# Altium PCB H-00488.PcbDoc (part 9 of 9) (continued)
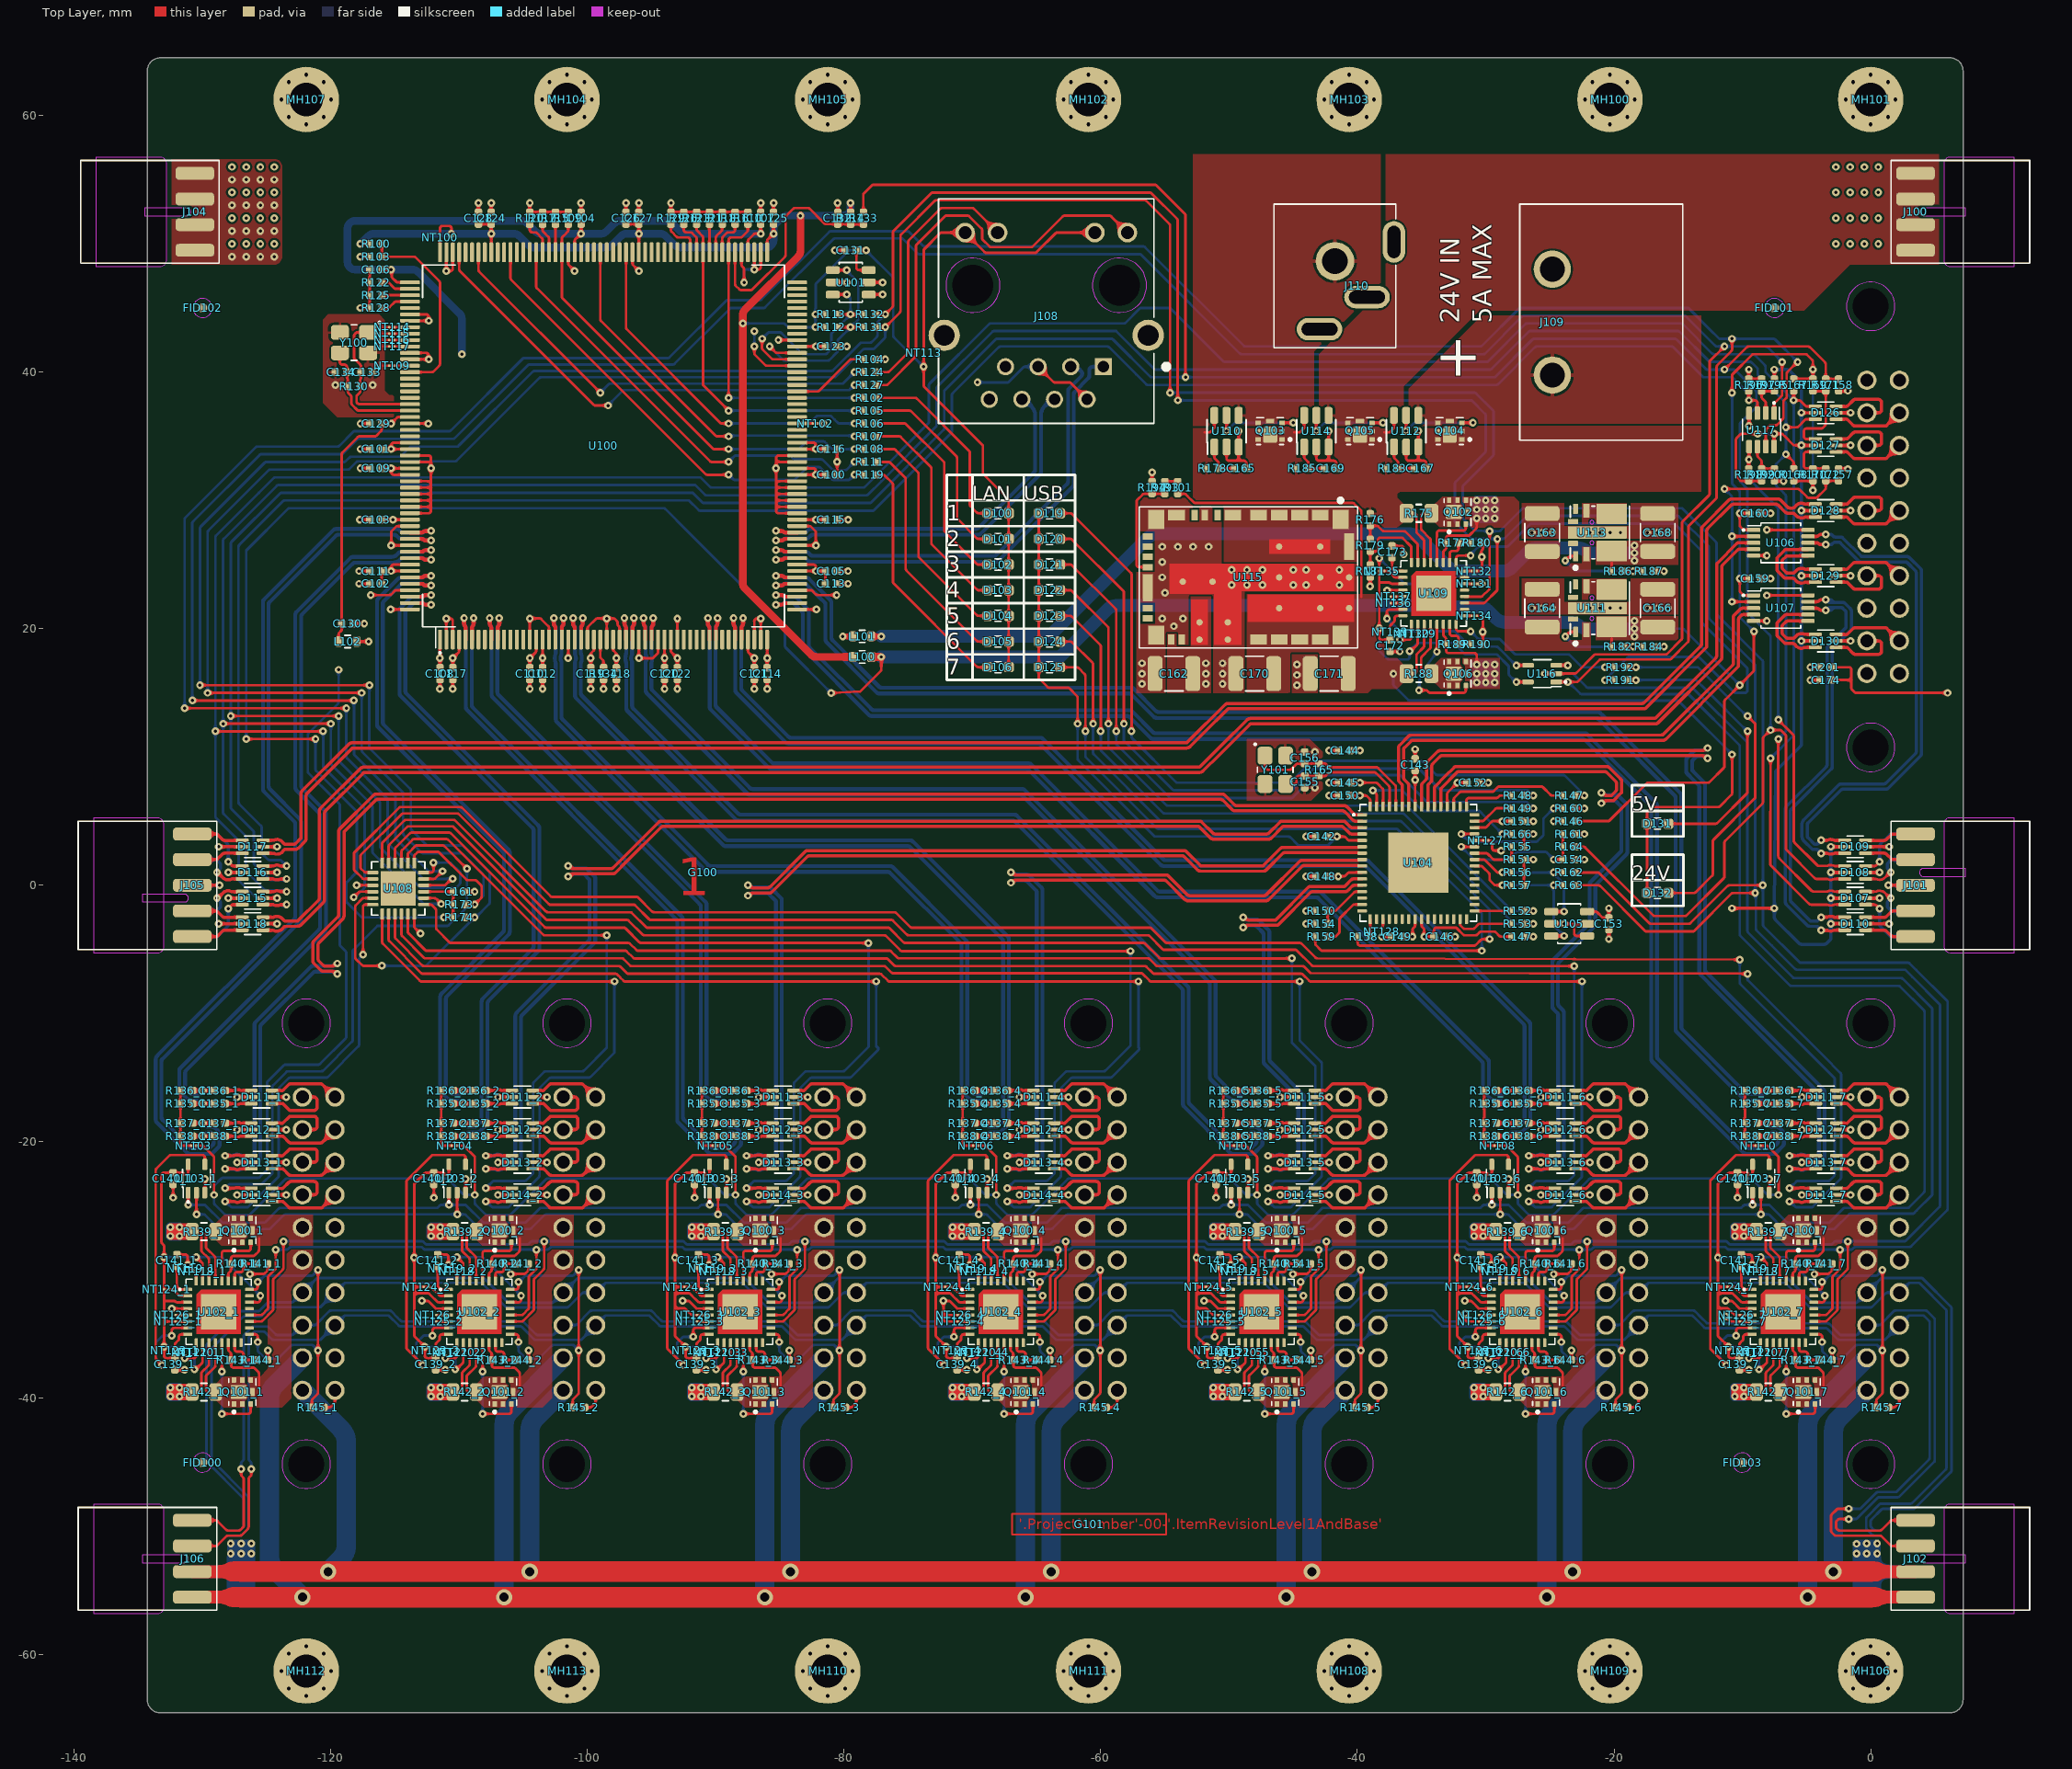
[diagram p0: Top Layer view]
## Nets (pads, with @x,y where several pads share a name; then routed paths per layer and width w, separated by ;. In a path a pad name is that pad's centre, name@x,y a point inside that pad or via, vN(x,y) a via of type N, cw(c..) or ccw(c..) an arc to the next point about the centre after c; other vN are vias at no path point) (continued)
  Bottom Layer w0.2: v1(-37.2,16.5) -37.2,15.683 ccw(c-37,15.683) -37.142,15.542 -36.058,14.458 ccw(c-35.917,14.6) -35.919,14.4 -15.083,14.4 cw(c-15.083,14.2) -14.942,14.342 -14.213,13.613 v1@-10.801,10.201
V_USB_1P8: C146.1 C147.2 U104.25 | length 9.4
  Top Layer w0.2: U104.25@-35,-2.635 -35,-3.117 ccw(c-34.8,-3.117) -34.941,-3.259 -34.859,-3.341 cw(c-35,-3.483) -34.8,-3.483 v1(-34.8,-4) C146.1@-34.028,-4 ; C146.1@-34.028,-4 -34.028,-3.5 cw(c-33.828,-3.5) -33.828,-3.3 -32.378,-3.3 cw(c-32.378,-3.5) -32.237,-3.358 ; -32.237,-3.359 -31.754,-3.841 ccw(c-31.612,-3.7) -31.612,-3.9 -30.797,-3.9 ccw(c-30.797,-3.7) -30.656,-3.842 -30.486,-3.672 cw(c-30.345,-3.813) -30.345,-3.613 -29.352,-3.613 cw(c-29.352,-3.813) -29.211,-3.672 -28.94,-3.942 ccw(c-28.8,-3.8) -28.801,-4 C147.2@-27.955,-4
V_USB_3V3: C142.2 C143.1 C148.2 C149.1 C150.1 C151.1 C152.1 C153.1 D119.A D120.A D121.A D122.A D123.A D124.A D125.A NT127.1 R146.2 R150.1 R151.1 R156.1 R157.1 R160.1 R161.1 U104.5 U104.10 U104.24 U104.46 U104.52 U104.57 U104.64 U105.6 | length 73.1
  Top Layer w0.2: D119.A@-64.825,29 D120.A@-64.825,27 D121.A@-64.825,25 D122.A@-64.825,23 D125.A@-64.825,17 -64.825,16.206 ccw(c-64.625,16.208) -64.767,16.067 -64.159,15.459 ccw(c-64.017,15.6) -64.017,15.4 -62.583,15.4 cw(c-62.583,15.2) -62.441,15.341 -61.859,14.759 cw(c-62,14.617) -61.8,14.617 v1(-61.8,12.6) ; v1(-44,-2) R150.1@-43.28,-2 R150.1@-43.255,-2 ; C148.2@-42.345,0.7 v1(-41.5,0.7) -41.083,0.7 ccw(c-41.083,0.9) -40.942,0.758 -40.758,0.942 cw(c-40.617,0.8) -40.617,1 U104.10@-39.635,1 ; C142.2@-42.345,3.8 v1(-41.6,3.8) -41.083,3.8 cw(c-41.083,3.6) -40.941,3.741 -40.758,3.558 ccw(c-40.617,3.7) -40.619,3.5 U104.5@-39.635,3.5 ; C150.1@-40.545,7 v1(-39.8,7) -39.383,7 cw(c-39.383,6.8) -39.242,6.942 -39.058,6.758 cw(c-39.2,6.617) -39,6.617 U104.64@-39,6.135 ; C149.1@-36.445,-4 v1(-35.7,-4) -35.7,-3.483 cw(c-35.5,-3.483) -35.641,-3.341 -35.559,-3.259 ccw(c-35.7,-3.117) -35.5,-3.117 U104.24@-35.5,-2.635 ; U104.57@-35.5,6.135 C143.1@-35.5,8.945 ; U104.52@-33,6.135 -33,7.117 cw(c-32.8,7.117) -32.941,7.259 v1(-32.2,8) ; v1@-32,8 C152.1@-31.455,8 ; U104.46@-30.865,4.5 -30.083,4.5 ccw(c-30.083,4.7) -29.941,4.559 -29.558,4.942 cw(c-29.417,4.8) -29.417,5 v1(-28.7,5) C151.1@-27.955,5 ; NT127.1@-29.8,3.5 -29.7,3.5 cw(c-29.7,3.3) -29.5,3.3 -29.5,2.9 ccw(c-29.3,2.9) -29.3,2.7 v1(-28.8,2.7) ; R157.1@-27.02,0 -27.02,1.61 R151.1@-27.02,2 ; R151.1@-27.011,2 v1(-26.3,2) ; v1(-24.7,5) R146.2@-23.989,5 ; R161.1@-23.045,4 v1(-22.3,4) ; R160.1@-23.045,6 v1(-22.3,6) ; U105.6@-22.1,-2.05 -21.454,-2.05 cw(c-21.454,-2.25) -21.312,-2.109 -20.934,-2.487 ccw(c-20.793,-2.345) -20.795,-2.545 C153.1@-20.4,-2.545 ; C153.1@-20.4,-2.52 v1(-20.4,-1.8)
  Bottom Layer w0.2: v1(-61.8,12.6) -61.8,9.883 ccw(c-61.6,9.883) -61.742,9.742 -55.859,3.859 ccw(c-55.717,4) -55.717,3.8 -45.383,3.8 cw(c-45.383,3.6) -45.241,3.741 -44.659,3.159 ccw(c-44.517,3.3) -44.517,3.1 -42.383,3.1 ccw(c-42.383,3.3) -42.241,3.159 v1(-41.6,3.8)
  other v1: -35.5,8.224
V_USB_PLL_1P8: C144.1 C145.2 U104.62 | length 7
  Top Layer w0.2: C145.2@-40.545,8 v1@-39.9,8 ; C144.1@-40.545,10.5 v1@-39.9,10.5 ; v1@-39.7,8 -38.583,8 cw(c-38.583,7.8) -38.442,7.942 -38.058,7.558 cw(c-38.2,7.417) -38,7.418 ; U104.62@-38,6.135 -38,7.417
  Power Plane w0.6: v1(-39.8,8) v1(-39.8,10.5)
VBUS_DET: NT127.2 U104.44 | length 0.7
  Top Layer w0.2: U104.44@-30.865,3.5 NT127.2@-30.2,3.5
pads on no net: FID100.1 FID101.1 FID102.1 FID103.1 J103_1.M1 J103_1.M2 J103_2.M1 J103_2.M2 J103_3.M1 J103_3.M2 J103_4.M1 J103_4.M2 J103_5.M1 J103_5.M2 J103_6.M1 J103_6.M2 J103_7.M1 J103_7.M2 J107.A1 J107.B1 J107.M1 J107.M2 J108.7 J108.M1 J108.M2 J108.M3 J108.M4 J110.3 J110.M1 NT136.1 NT137.1 U100.7 U100.8 U100.11 U100.12 U100.13 U100.14 U100.39 U100.40 U100.41 U100.42 U100.45 U100.46 U100.80 U100.81 U100.83 U100.84 U100.85 U100.86 U100.88 U100.89 U100.90 U100.96 U100.97 U100.98 U100.99 U100.100 U100.101 U100.102 U100.103 U100.104 U100.119 U100.120 U100.121 U100.122 U100.123 U100.124 U100.172 U100.173 U100.174 U100.175 U100.180 U100.181 U108.25 U109.18 U109.21 U109.23 U111.6 U111.7 U113.6 U113.7 U115.7 U115.12 U115.13 U115.14 U115.17 U115.18

## Polygon pours and split planes (outlines as drawn)
GND on Top Layer "GND_L01_P114" (solid, remove dead copper, pour order 114): -116.245,44.5 -120.2,44.5 -120.6,44.1 -120.6,37.6 -119.5,36.5 -115.8,36.5 -115.1,36.5 -115.1,38.2 -115.443,38.2 -115.8,38.557 -115.8,44.055
V_24P0 on Top Layer "V_24P0_L01_P104" (solid, remove dead copper, pour order 104): -123.8,56.004 -123.8,48.996 cw(c-124.4,48.996) -124.4,48.396 -132.4,48.396 -132.4,56.604 -124.4,56.604 cw(c-124.4,56.004)
PWR_SW_2P1 on Top Layer "PWR_SW_2P1_L01_P116" (solid, remove dead copper, pour order 116): -19,29.8 -19.001,28.171 -22.5,28.171 -22.5,29.8
PWR_SW_3P3 on Top Layer "PWR_SW_3P3_L01_P115" (solid, remove dead copper, pour order 115): -19,23.9 -19.001,22.271 -22.5,22.271 -22.5,23.9
GND on Top Layer "GND_L01_P113" (solid, remove dead copper, pour order 113): -48.6,11.4 -48.6,6.6 -43.6,6.6 -42.7,7.5 -42.7,10.4 -43.7,11.4
GND on Top Layer "GND_L01_P109" (solid, remove dead copper, pour order 109): -39.7,22.9 -48.8,22.9 -48.8,15 -57.2,15 -57.2,24.4 -55.8,24.4 -55.8,27.6 -57.2,27.6 -57.2,30.5 -50.6,30.5 -50.6,25.051 -39.7,25.051
V_IN_24P0 on Top Layer "V_IN_24P0_L01_P103" (solid, remove dead copper, pour order 103): -52.8,35.8 -13.2,35.8 -13.2,30.7 -36.7,30.7 -36.9,30.5 -36.9,30.2 -36.013,29.313 -36.013,28.588 -36.9,27.9 -40,27.9 -40,29.556 -52.8,29.556
V_24P0 on Top Layer "V_24P0_L01_P100" (solid, remove dead copper, pour order 100): -31.8,30.3 -28.9,30.3 -28.9,27.9 -31.8,27.9 -31.8,28.3 -31.6,28.5 -31.6,29.7 -31.8,29.9
V_REG_5P0 on Top Layer "V_REG_5P0_L01_P098" (solid, remove dead copper, pour order 98): -48.6,22.7 -48.6,15 -39.2,15 -37.9,16.3 -37.9,22.7
V_5P0 on Top Layer "V_5P0_L01_P097" (solid, remove dead copper, pour order 97): -31.8,17.7 -28.9,17.7 -28.9,15.3 -31.8,15.3 -31.8,15.7 -31.6,15.9 -31.6,17.1 -31.8,17.3
V_IN2_24P0 on Top Layer "V_IN2_24P0_L01_P093" (solid, remove dead copper, pour order 93): -36,35.8 -33.5,35.8 -33.3,36 -13.2,36 -13.2,44.4 -30.3,44.4 -36,38.7
V_IN3_24P0 on Top Layer "V_IN3_24P0_L01_P092" (solid, remove dead copper, pour order 92): -1.604,48.396 5.3,48.396 5.3,57 -37.8,57 -37.8,46.6 -43,41.4 -43,35.8 -40.5,35.8 -40.3,36 -36.4,36 -36.4,38.9 -30.5,44.8 -5.2,44.8
V_IN1_24P0 on Top Layer "V_IN1_24P0_L01_P091" (solid, remove dead copper, pour order 91): -52.8,57 -38.2,57 -38.2,46.8 -43.4,41.6 -43.4,36 -47.3,36 -47.5,35.8 -52.8,35.8 -52.8,38.5
V_OUT_24P0_7 on Top Layer "V_OUT_24P0_7_L01_P090" (solid, remove dead copper, pour order 90): -4.58,-38.3 -4.58,-38.7 -4.38,-38.9 -4.38,-40 -4.08,-40 -3.88,-40.2 -3.88,-40.7 -1.88,-40.7 -1.18,-40 -1.18,-31.621 -0.259,-30.7 0.52,-29.921 0.52,-28.4 -1.18,-28.4 -2.98,-30.2 -2.98,-37.7 -3.58,-38.3
V_OUT_24P0_6 on Top Layer "V_OUT_24P0_6_L01_P089" (solid, remove dead copper, pour order 89): -24.9,-38.3 -24.9,-38.7 -24.7,-38.9 -24.7,-40 -24.4,-40 -24.2,-40.2 -24.2,-40.7 -22.2,-40.7 -21.5,-40 -21.5,-31.621 -20.579,-30.7 -19.8,-29.921 -19.8,-28.4 -21.5,-28.4 -23.3,-30.2 -23.3,-37.7 -23.9,-38.3
V_OUT_24P0_5 on Top Layer "V_OUT_24P0_5_L01_P088" (solid, remove dead copper, pour order 88): -45.22,-38.3 -45.22,-38.7 -45.02,-38.9 -45.02,-40 -44.72,-40 -44.52,-40.2 -44.52,-40.7 -42.52,-40.7 -41.82,-40 -41.82,-31.621 -40.899,-30.7 -40.12,-29.921 -40.12,-28.4 -41.82,-28.4 -43.62,-30.2 -43.62,-37.7 -44.22,-38.3
V_OUT_24P0_4 on Top Layer "V_OUT_24P0_4_L01_P087" (solid, remove dead copper, pour order 87): -65.54,-38.3 -65.54,-38.7 -65.34,-38.9 -65.34,-40 -65.04,-40 -64.84,-40.2 -64.84,-40.7 -62.84,-40.7 -62.14,-40 -62.14,-31.621 -61.219,-30.7 -60.44,-29.921 -60.44,-28.4 -62.14,-28.4 -63.94,-30.2 -63.94,-37.7 -64.54,-38.3
V_OUT_24P0_3 on Top Layer "V_OUT_24P0_3_L01_P086" (solid, remove dead copper, pour order 86): -85.86,-38.3 -85.86,-38.7 -85.66,-38.9 -85.66,-40 -85.36,-40 -85.16,-40.2 -85.16,-40.7 -83.16,-40.7 -82.46,-40 -82.46,-31.621 -81.539,-30.7 -80.76,-29.921 -80.76,-28.4 -82.46,-28.4 -84.26,-30.2 -84.26,-37.7 -84.86,-38.3
V_OUT_24P0_2 on Top Layer "V_OUT_24P0_2_L01_P085" (solid, remove dead copper, pour order 85): -106.18,-38.3 -106.18,-38.7 -105.98,-38.9 -105.98,-40 -105.68,-40 -105.48,-40.2 -105.48,-40.7 -103.48,-40.7 -102.78,-40 -102.78,-31.621 -101.859,-30.7 -101.08,-29.921 -101.08,-28.4 -102.78,-28.4 -104.58,-30.2 -104.58,-37.7 -105.18,-38.3
V_OUT_24P0_1 on Top Layer "V_OUT_24P0_1_L01_P084" (solid, remove dead copper, pour order 84): -126.5,-38.3 -126.5,-38.7 -126.3,-38.9 -126.3,-40 -126,-40 -125.8,-40.2 -125.8,-40.7 -123.8,-40.7 -123.1,-40 -123.1,-31.621 -122.179,-30.7 -121.4,-29.921 -121.4,-28.4 -123.1,-28.4 -124.9,-30.2 -124.9,-37.7 -125.5,-38.3
V_OUT_5P0_7 on Top Layer "V_OUT_5P0_7_L01_P083" (solid, remove dead copper, pour order 83): -4.58,-25.7 -4.58,-26.1 -4.38,-26.3 -4.38,-27.4 -4.08,-27.4 -3.88,-27.6 -3.88,-28.1 0.52,-28.1 0.52,-25.7
V_OUT_5P0_6 on Top Layer "V_OUT_5P0_6_L01_P082" (solid, remove dead copper, pour order 82): -24.9,-25.7 -24.9,-26.1 -24.7,-26.3 -24.7,-27.4 -24.4,-27.4 -24.2,-27.6 -24.2,-28.1 -19.8,-28.1 -19.8,-25.7
V_OUT_5P0_5 on Top Layer "V_OUT_5P0_5_L01_P081" (solid, remove dead copper, pour order 81): -45.22,-25.7 -45.22,-26.1 -45.02,-26.3 -45.02,-27.4 -44.72,-27.4 -44.52,-27.6 -44.52,-28.1 -40.12,-28.1 -40.12,-25.7
V_OUT_5P0_4 on Top Layer "V_OUT_5P0_4_L01_P080" (solid, remove dead copper, pour order 80): -65.54,-25.7 -65.54,-26.1 -65.34,-26.3 -65.34,-27.4 -65.04,-27.4 -64.84,-27.6 -64.84,-28.1 -60.44,-28.1 -60.44,-25.7
V_OUT_5P0_3 on Top Layer "V_OUT_5P0_3_L01_P079" (solid, remove dead copper, pour order 79): -85.86,-25.7 -85.86,-26.1 -85.66,-26.3 -85.66,-27.4 -85.36,-27.4 -85.16,-27.6 -85.16,-28.1 -80.76,-28.1 -80.76,-25.7
V_OUT_5P0_2 on Top Layer "V_OUT_5P0_2_L01_P078" (solid, remove dead copper, pour order 78): -106.18,-25.7 -106.18,-26.1 -105.98,-26.3 -105.98,-27.4 -105.68,-27.4 -105.48,-27.6 -105.48,-28.1 -101.08,-28.1 -101.08,-25.7
V_OUT_5P0_1 on Top Layer "V_OUT_5P0_1_L01_P077" (solid, remove dead copper, pour order 77): -126.5,-25.7 -126.5,-26.1 -126.3,-26.3 -126.3,-27.4 -126,-27.4 -125.8,-27.6 -125.8,-28.1 -121.4,-28.1 -121.4,-25.7
PWR_SW_NC on Top Layer "PWR_SW_NC_L01_P108" (solid, remove dead copper, pour order 108): -50.4,30 -39.7,30 -39.7,25.2 -50.4,25.2
V_24P0 on Top Layer "V_24P0_L01_P101" (solid, remove dead copper, pour order 101): -54.1,18.6 -53,18.6 -53,22.5 -51.4,22.5 -51.4,15 -54.8,15 -54.8,18 -54.8,19.6 -54.1,19.6
PWR_SENSE2 on Top Layer "PWR_SENSE2_L01_P076" (solid, remove dead copper, pour order 76): -32,17.7 -32,17.2 -31.8,17 -31.8,16 -32,15.8 -32,15.3 -33.5,15.3 -34.3,16.1 -34.3,16.9 -33.5,17.7
V_24P0 on Top Layer "V_24P0_L01_P105" (solid, remove dead copper, pour order 105): -29,30.3 -27.8,30.3 -27.4,29.9 -27.4,26.856 -24.2,26.856 -24.2,25.1 -22.5,25.1 -22.5,26.4 -21.8,26.4 -21.8,24.1 -27.4,24.1 -27.4,20.956 -24.1,20.956 -24.1,19.1 -22.5,19.1 -22.5,20.5 -21.8,20.5 -21.8,18.3 -28.5,18.3 -28.5,27.9 -29,27.9
V_3P3 on Top Layer "V_3P3_L01_P112" (solid, remove dead copper, pour order 112): -21.4,20.956 -15,20.956 -15,19.1 -21.4,19.1
V_2P1 on Top Layer "V_2P1_L01_P110" (solid, remove dead copper, pour order 110): -21.4,26.856 -15,26.856 -15,25 -21.4,25
GND on Top Layer "GND_L01_P111" (solid, remove dead copper, pour order 111): -27.2,23.9 -23.9,23.9 -23.9,22.1 -18.7,22.1 -18.7,23.9 -15,23.9 -15,21.118 -27.2,21.118
PWR_SENSE1 on Top Layer "PWR_SENSE1_L01_P075" (solid, remove dead copper, pour order 75): -32,30.3 -32,29.8 -31.8,29.6 -31.8,28.6 -32,28.4 -32,27.9 -33.6,27.9 -34.3,28.6 -34.3,29.4 -33.4,30.3
GND on Top Layer "GND_L01_P096" (solid, remove dead copper, pour order 96): -43.1,18 -43.1,15 -45.1,15 -45.1,18
V_REG_5P0 on Top Layer "V_REG_5P0_L01_P106" (solid, remove dead copper, pour order 106): -39,17.7 -36.9,17.7 -36.1,16.9 -36.1,16.1 -36.9,15.3 -39,15.3
GND on Top Layer "GND_L01_P107" (solid, remove dead copper, pour order 107): -27.2,29.8 -23.9,29.8 -23.9,28 -18.7,28 -18.7,29.8 -15,29.8 -15,27.018 -27.2,27.018
SENSE2_7 on Top Layer "SENSE2_7_L01_P074" (solid, remove dead copper, pour order 74): -4.78,-38.3 -4.78,-38.8 -4.58,-39 -4.58,-40 -4.78,-40.2 -4.78,-40.7 -6.48,-40.7 -7.08,-40.1 -7.08,-38.9 -6.48,-38.3
SENSE2_1 on Top Layer "SENSE2_1_L01_P062" (solid, remove dead copper, pour order 62): -126.7,-38.3 -126.7,-38.8 -126.5,-39 -126.5,-40 -126.7,-40.2 -126.7,-40.7 -128.4,-40.7 -129,-40.1 -129,-38.9 -128.4,-38.3
SENSE2_2 on Top Layer "SENSE2_2_L01_P064" (solid, remove dead copper, pour order 64): -106.38,-38.3 -106.38,-38.8 -106.18,-39 -106.18,-40 -106.38,-40.2 -106.38,-40.7 -108.08,-40.7 -108.68,-40.1 -108.68,-38.9 -108.08,-38.3
SENSE2_3 on Top Layer "SENSE2_3_L01_P066" (solid, remove dead copper, pour order 66): -86.06,-38.3 -86.06,-38.8 -85.86,-39 -85.86,-40 -86.06,-40.2 -86.06,-40.7 -87.76,-40.7 -88.36,-40.1 -88.36,-38.9 -87.76,-38.3
SENSE2_4 on Top Layer "SENSE2_4_L01_P068" (solid, remove dead copper, pour order 68): -65.74,-38.3 -65.74,-38.8 -65.54,-39 -65.54,-40 -65.74,-40.2 -65.74,-40.7 -67.44,-40.7 -68.04,-40.1 -68.04,-38.9 -67.44,-38.3
SENSE2_5 on Top Layer "SENSE2_5_L01_P070" (solid, remove dead copper, pour order 70): -45.42,-38.3 -45.42,-38.8 -45.22,-39 -45.22,-40 -45.42,-40.2 -45.42,-40.7 -47.12,-40.7 -47.72,-40.1 -47.72,-38.9 -47.12,-38.3
SENSE2_6 on Top Layer "SENSE2_6_L01_P072" (solid, remove dead copper, pour order 72): -25.1,-38.3 -25.1,-38.8 -24.9,-39 -24.9,-40 -25.1,-40.2 -25.1,-40.7 -26.8,-40.7 -27.4,-40.1 -27.4,-38.9 -26.8,-38.3
SENSE1_1 on Top Layer "SENSE1_1_L01_P061" (solid, remove dead copper, pour order 61): -126.7,-25.7 -126.7,-26.2 -126.5,-26.4 -126.5,-27.4 -126.7,-27.6 -126.7,-28.1 -128.527,-28.1 -129,-27.627 -129,-26.38 -128.32,-25.7
SENSE1_2 on Top Layer "SENSE1_2_L01_P063" (solid, remove dead copper, pour order 63): -106.38,-25.7 -106.38,-26.2 -106.18,-26.4 -106.18,-27.4 -106.38,-27.6 -106.38,-28.1 -108.207,-28.1 -108.68,-27.627 -108.68,-26.38 -108,-25.7
SENSE1_3 on Top Layer "SENSE1_3_L01_P065" (solid, remove dead copper, pour order 65): -86.06,-25.7 -86.06,-26.2 -85.86,-26.4 -85.86,-27.4 -86.06,-27.6 -86.06,-28.1 -87.887,-28.1 -88.36,-27.627 -88.36,-26.38 -87.68,-25.7
SENSE1_4 on Top Layer "SENSE1_4_L01_P067" (solid, remove dead copper, pour order 67): -65.74,-25.7 -65.74,-26.2 -65.54,-26.4 -65.54,-27.4 -65.74,-27.6 -65.74,-28.1 -67.567,-28.1 -68.04,-27.627 -68.04,-26.38 -67.36,-25.7
SENSE1_5 on Top Layer "SENSE1_5_L01_P069" (solid, remove dead copper, pour order 69): -45.42,-25.7 -45.42,-26.2 -45.22,-26.4 -45.22,-27.4 -45.42,-27.6 -45.42,-28.1 -47.247,-28.1 -47.72,-27.627 -47.72,-26.38 -47.04,-25.7
SENSE1_6 on Top Layer "SENSE1_6_L01_P071" (solid, remove dead copper, pour order 71): -25.1,-25.7 -25.1,-26.2 -24.9,-26.4 -24.9,-27.4 -25.1,-27.6 -25.1,-28.1 -26.927,-28.1 -27.4,-27.627 -27.4,-26.38 -26.72,-25.7
SENSE1_7 on Top Layer "SENSE1_7_L01_P073" (solid, remove dead copper, pour order 73): -4.78,-25.7 -4.78,-26.2 -4.58,-26.4 -4.58,-27.4 -4.78,-27.6 -4.78,-28.1 -6.607,-28.1 -7.08,-27.627 -7.08,-26.38 -6.4,-25.7
GND on Bottom Layer "GND_L04_P102" (solid, pour order 102): -3.3,56.004 -3.3,48.997 ccw(c-2.7,48.996) -2.7,48.396 5.3,48.396 5.3,56.604 -2.7,56.604 ccw(c-2.7,56.004)
GND on Bottom Layer "GND_L04_P099" (solid, pour order 99): -123.8,56.004 -123.8,48.996 cw(c-124.4,48.996) -124.4,48.396 -132.4,48.396 -132.4,56.604 -124.4,56.604 cw(c-124.4,56.004)
GNDC on Bottom Layer "GNDC_L04_P095" (solid, pour order 95): -136,-66 -136,-57.5 9,-57.5 9,-66
GNDC on Bottom Layer "GNDC_L04_P094" (solid, pour order 94): -136,66 -136,57.5 9,57.5 9,66
no net on Bottom Solder "GNDC_L04_P040" (solid): -136,-66 -136,-57.5 9,-57.5 9,-66
no net on Bottom Solder "GNDC_L04_P039" (solid): -136,66 -136,57.5 9,57.5 9,66
GNDC on Ground Plane "GNDC_L02_P130" (solid, remove dead copper, pour order 130): -133.3,-64.5 6.2,-64.5 ccw(c6.2,-63.5) 7.2,-63.5 7.2,63.5 ccw(c6.2,63.5) 6.2,64.5 -133.3,64.5 ccw(c-133.3,63.5) -134.3,63.5 -134.3,-63.5 ccw(c-133.3,-63.5)
GND on Ground Plane "GND_L02_P129" (solid, remove dead copper, pour order 129): -134.3,-58.4 -134.3,58.4 1,58.4 2.4,57 2.4,49.2 4.8,46.8 4.8,6.6 2.4,4.2 2.4,-4.2 4.8,-6.6 4.8,-46.8 2.4,-49.2 2.4,-57 1,-58.4
GNDC on Power Plane "GNDC_L03_P136" (solid, remove dead copper, pour order 136): -133.3,-64.5 6.2,-64.5 ccw(c6.2,-63.5) 7.2,-63.5 7.2,63.5 ccw(c6.2,63.5) 6.2,64.5 -133.3,64.5 ccw(c-133.3,63.5) -134.3,63.5 -134.3,-63.5 ccw(c-133.3,-63.5)
V_24P0 on Power Plane "V_24P0_L03_P135" (solid, remove dead copper, pour order 135): -134.3,-58.4 -134.3,58.4 7.2,58.4 7.2,-58.4
V_LAN_2P1 on Power Plane "V_LAN_2P1_L03_P132" (solid, remove dead copper, pour order 132): -134.3,15.542 -58.2,15.542 -58.2,42.6 -134.3,42.6
V_5P0 on Power Plane "V_5P0_L03_P134" (solid, remove dead copper, pour order 134): -47.9,-6 -47.9,11.2 -54.013,11.2 -58.158,15.345 -134.3,15.345 -134.3,-31.75 -8.18,-31.75 -4.8,-28.37 -4.8,-15.08 -8.994,-10.886 -8.994,10.584 -17.207,18.796 -33.3,18.796 -33.3,11.2 -26.5,11.2 -19.779,4.479 -19.779,-6
V_USB_3V3 on Power Plane "V_USB_3V3_L03_P133" (solid, remove dead copper, pour order 133): -47.9,-6 -47.9,11.2 -26.5,11.2 -19.779,4.479 -19.779,-6

## Other copper
Top Layer:
  pour cut-out: -51.7,35.7 -48.7,35.7 -48.7,33.5 cw(c-48.9,33.5) -48.9,33.3 -51.5,33.3 cw(c-51.5,33.5) -51.7,33.5
  pour cut-out: -44.8,35.7 -41.8,35.7 -41.8,33.5 cw(c-42,33.5) -42,33.3 -44.6,33.3 cw(c-44.6,33.5) -44.8,33.5
  pour cut-out: -37.7,35.7 -34.7,35.7 -34.7,33.5 cw(c-34.9,33.5) -34.9,33.3 -37.5,33.3 cw(c-37.5,33.5) -37.7,33.5

## Silkscreen, mask and mechanical layers (free items; w line width, h text height)
Top Overlay:
  lines w0.2: -72,18 -62,18 ; -72,20 -62,20 ; -72,22 -62,22 ; -72,24 -62,24 ; -72,26 -62,26 ; -72,28 -62,28 ; -72,30 -62,30 ; -70,16 -70,32 ; -66,16 -66,32 ; -18.6,0.4 -14.6,0.4 ; -18.6,5.8 -14.6,5.8 ; -72,16 -72,32 -62,32 -62,16 -72,16 ; -18.6,-1.6 -14.6,-1.6 -14.6,2.4 -18.6,2.4 -18.6,-1.6 ; -18.6,3.8 -18.6,7.8 -14.6,7.8 -14.6,3.8 -18.6,3.8
  text "24V IN / 5A MAX" at -29.059,43.8 h2.5 r90
  text "+" at -29.683,39.257 h5.5 r90
  text "LAN" at -70,30 h1.1
  text "USB" at -66,30 h1.1
  text "1" at -72,28 h2.1
  text "2" at -72,26 h2.1
  text "3" at -72,24 h2.1
  text "4" at -72,22 h2.1
  text "5" at -72,20 h2.1
  text "6" at -72,18 h2.1
  text "7" at -72,16 h2.1
  text "5V" at -18.6,5.8 h1.1
  text "24V" at -18.6,0.4 h1.1
Bottom Overlay:
  lines w0.2: -76.5,-0.5 -59,-0.5 ; -76.5,2 -59,2 ; -76.5,4.5 -59,4.5 ; -76.5,7 -59,7 ; -76.5,9.5 -59,9.5 ; -76.5,12 -59,12 ; -76.5,14.5 -59,14.5 ; -76.5,17 -59,17 ; -76.5,19.5 -59,19.5 ; -76.5,22 -59,22 ; -69,-3 -69,24.5 ; -61.5,-3 -61.5,24.5 ; -76.5,-3 -59,-3 -59,24.5 -76.5,24.5 -76.5,-3
  text "B" at -69,21.996 h1.2
  text "A" at -61.5,22 h1.2
  text "LANTXP" at -69,19.496 h1.2
  text "LANTXN" at -61.5,19.5 h1.2
  text "1" at -59,19.5 h1.2
  text "LANRXP" at -69,17 h1.2
  text "LANRXN" at -61.5,17 h1.2
  text "2" at -59,17 h1.2
  text "USBDP" at -69,14.496 h1.2
  text "USBDM" at -61.5,14.5 h1.2
  text "3" at -59,14.5 h1.2
  text "SCL" at -69,12 h1.2
  text "SDA" at -61.5,12 h1.2
  text "4" at -59,12 h1.2
  text "5V" at -69,9.5 h1.2
  text "GND" at -61.5,9.5 h1.2
  text "5" at -59,9.5 h1.2
  text "24V" at -69,7 h1.2
  text "GND" at -61.5,7 h1.2
  text "6" at -59,7 h1.2
  text "CANH A" at -69,4.496 h1.2
  text "CANL A" at -61.5,4.5 h1.2
  text "7" at -59,4.5 h1.2
  text "CANH B" at -69,2 h1.2
  text "CANL B" at -61.5,2 h1.2
  text "8" at -59,2 h1.2
  text "ADJ2" at -69,-0.5 h1.2
  text "GND" at -61.5,-0.5 h1.2
  text "9" at -59,-0.5 h1.2
  text "ADJ1" at -69,-3 h1.2
  text "DETECT" at -61.5,-3 h1.2
  text "10" at -59,-3 h1.2
  text "1" at -116.85,-7.55 h3
  text "2" at -96.53,-7.55 h3
  text "3" at -76.21,-7.55 h3
  text "4" at -55.89,-7.55 h3
  text "5" at -35.57,-7.55 h3
  text "6" at -15.25,-7.55 h3
  text "7" at 5.07,-7.65 h3
Board:
  drawing of 226 lines, arcs and shapes, not listed
Drill Drawing:
  drawing of 431 lines, arcs and shapes, not listed
  text "Symbol" at 27.804,36.75 h1.44
  text "Count" at 36.795,36.75 h1.44
  text "Hole Size" at 47.505,36.75 h1.44
  text "Plated" at 58.601,36.75 h1.44
  text "Hole Type" at 66.38,36.75 h1.44
  text "Via/Pad" at 78.004,36.75 h1.44
  text "Pad Shape" at 87.667,36.75 h1.44
  text "934" at 36.795,33.75 h1.2
  text "0,25mm" at 47.505,33.75 h1.2
  text "PTH" at 58.601,33.75 h1.2
  text "Round" at 66.38,33.75 h1.2
  text "Via" at 78.004,33.75 h1.2
  text "Rounded" at 87.667,33.75 h1.2
  text "112" at 36.795,30.75 h1.2
  text "0,30mm" at 47.505,30.75 h1.2
  text "PTH" at 58.601,30.75 h1.2
  text "Round" at 66.38,30.75 h1.2
  text "Via" at 78.004,30.75 h1.2
  text "Rounded" at 87.667,30.75 h1.2
  text "14" at 36.795,27.75 h1.2
  text "0,71mm" at 47.505,27.75 h1.2
  text "PTH" at 58.601,27.75 h1.2
  text "Round" at 66.38,27.75 h1.2
  text "Via" at 78.004,27.75 h1.2
  text "Rounded" at 87.667,27.75 h1.2
  text "8" at 36.795,24.75 h1.2
  text "0,89mm" at 47.505,24.75 h1.2
  text "PTH" at 58.601,24.75 h1.2
  text "Round" at 66.38,24.75 h1.2
  text "Pad" at 78.004,24.75 h1.2
  text "Rounded" at 87.667,24.75 h1.2
  text "160" at 36.795,21.75 h1.2
  text "1,00mm" at 47.505,21.75 h1.2
  text "PTH" at 58.601,21.75 h1.2
  text "Round" at 66.38,21.75 h1.2
  text "Pad" at 78.004,21.75 h1.2
  text "Rounded" at 87.667,21.75 h1.2
  text "1" at 36.795,18.75 h1.2
  text "1,00mm" at 47.505,18.75 h1.2
  text "PTH" at 58.601,18.75 h1.2
  text "Slot" at 66.38,18.75 h1.2
  text "Pad" at 78.004,18.75 h1.2
  text "Rounded Rectangle" at 87.667,18.75 h1.2
  text "2" at 36.795,15.75 h1.2
  text "1,00mm" at 47.505,15.75 h1.2
  text "PTH" at 58.601,15.75 h1.2
  text "Slot" at 66.38,15.75 h1.2
  text "Pad" at 78.004,15.75 h1.2
  text "Rounded Rectangle" at 87.667,15.75 h1.2
  text "4" at 36.795,12.75 h1.2
  text "1,02mm" at 47.505,12.75 h1.2
  text "PTH" at 58.601,12.75 h1.2
  text "Round" at 66.38,12.75 h1.2
  text "Pad" at 78.004,12.75 h1.2
  text "Rounded" at 87.667,12.75 h1.2
  text "2" at 36.795,9.75 h1.2
  text "1,63mm" at 47.505,9.75 h1.2
  text "PTH" at 58.601,9.75 h1.2
  text "Round" at 66.38,9.75 h1.2
  text "Pad" at 78.004,9.75 h1.2
  text "Rounded" at 87.667,9.75 h1.2
  text "2" at 36.795,6.75 h1.2
  text "1,94mm" at 47.505,6.75 h1.2
  text "PTH" at 58.601,6.75 h1.2
  text "Round" at 66.38,6.75 h1.2
  text "Pad" at 78.004,6.75 h1.2
  text "Rounded" at 87.667,6.75 h1.2
  text "1" at 36.795,3.75 h1.2
  text "2,00mm" at 47.505,3.75 h1.2
  text "PTH" at 58.601,3.75 h1.2
  text "Round" at 66.38,3.75 h1.2
  text "Pad" at 78.004,3.75 h1.2
  text "Rounded" at 87.667,3.75 h1.2
  text "14" at 36.795,0.75 h1.2
  text "2,60mm" at 47.505,0.75 h1.2
  text "PTH" at 58.601,0.75 h1.2
  text "Round" at 66.38,0.75 h1.2
  text "Pad" at 78.004,0.75 h1.2
  text "Rounded" at 87.667,0.75 h1.2
  text "16" at 36.795,-2.25 h1.2
  text "2,80mm" at 47.505,-2.25 h1.2
  text "NPTH" at 58.601,-2.25 h1.2
  text "Round" at 66.38,-2.25 h1.2
  text "Pad" at 78.004,-2.25 h1.2
  text "Rounded" at 87.667,-2.25 h1.2
  text "2" at 36.795,-5.25 h1.2
  text "3,20mm" at 47.505,-5.25 h1.2
  text "NPTH" at 58.601,-5.25 h1.2
  text "Round" at 66.38,-5.25 h1.2
  text "Pad" at 78.004,-5.25 h1.2
  text "Rounded" at 87.667,-5.25 h1.2
  text "1272 Total" at 36.795,-8.25 h1.2
  text "Slot definitions :" at 27.804,-11.05 h1.2
  text "Routed Path Length" at 42.372,-11.05 h1.2
  text "= Calculated from tool start centre position to tool end centre position." at 59.78,-11.05 h1.2
  text "Hole Length" at 42.372,-12.949 h1.2
  text "= Routed Path Length + Tool Size = Slot length as defined in the PCB layout" at 52.93,-12.949 h1.2
  text "Layer" at 26.576,-32 h1.2
  text "Name" at 33.541,-32 h1.2
  text "Material" at 48.835,-32 h1.2
  text "Thickness" at 62.084,-32 h1.2
  text "Constant" at 72.426,-32 h1.2
  text "Board Layer Stack" at 82.281,-32 h1.2
  text "Top Overlay" at 33.541,-34.4 h1.2
  text "Top Solder" at 33.541,-36.8 h1.2
  text "Solder Resist" at 48.835,-36.8 h1.2
  text "0,010mm" at 62.084,-36.8 h1.2
  text "3.5" at 72.426,-36.8 h1.2
  text "1" at 26.576,-39.2 h1.2
  text "Top Layer" at 33.541,-39.2 h1.2
  text "0,018mm" at 62.084,-39.2 h1.2
  text "Dielectric 1" at 33.541,-41.6 h1.2
  text "Prepreg" at 48.835,-41.6 h1.2
  text "0,360mm" at 62.084,-41.6 h1.2
  text "4.2" at 72.426,-41.6 h1.2
  text "2" at 26.576,-44 h1.2
  text "Ground Plane" at 33.541,-44 h1.2
  text "0,035mm" at 62.084,-44 h1.2
  text "Dielectric 3" at 33.541,-46.4 h1.2
  text "FR-4" at 48.835,-46.4 h1.2
  text "0,710mm" at 62.084,-46.4 h1.2
  text "4.2" at 72.426,-46.4 h1.2
  text "3" at 26.576,-48.8 h1.2
  text "Power Plane" at 33.541,-48.8 h1.2
  text "0,035mm" at 62.084,-48.8 h1.2
  text "Dielectric 2" at 33.541,-51.2 h1.2
  text "Prepreg" at 48.835,-51.2 h1.2
  text "0,360mm" at 62.084,-51.2 h1.2
  text "4.2" at 72.426,-51.2 h1.2
  text "4" at 26.576,-53.6 h1.2
  text "Bottom Layer" at 33.541,-53.6 h1.2
  text "0,018mm" at 62.084,-53.6 h1.2
  text "Bottom Solder" at 33.541,-56 h1.2
  text "Solder Resist" at 48.835,-56 h1.2
  text "0,010mm" at 62.084,-56 h1.2
  text "3.5" at 72.426,-56 h1.2
  text "Bottom Overlay" at 33.541,-58.4 h1.2
DXF Import:
  drawing of 222 lines, arcs and shapes, not listed

## Dimensions
-121.92,-61.25 to -133.3,-64.5 on Drill Drawing
-134.3,64.5 to -121.92,61.25 on Drill Drawing
-134.3,-63.5 to 7.2,-63.5 on Drill Drawing
-133.3,64.5 to -133.3,-64.5 on Drill Drawing

## Text inside footprints (layer, text, board x,y; h text height)
G100: Top Layer "1" at -93,-1.75 h5
MP100: Bottom Overlay "PN/SN LABEL" at -11,51.9 h1.2